# Altium PCB Minion_Rev2.PcbDoc (part 7 of 11)
Units mil, origin at the board's own origin, x right, y up, seen from the top; angles counter-clockwise.
Board outline 4724.41 x 6929.13 mil, 4 copper layers (L1, L2, L3, L4), stack 62.087 mil thick; 873 components, 147 nets, 5651 pads, 5666 vias.
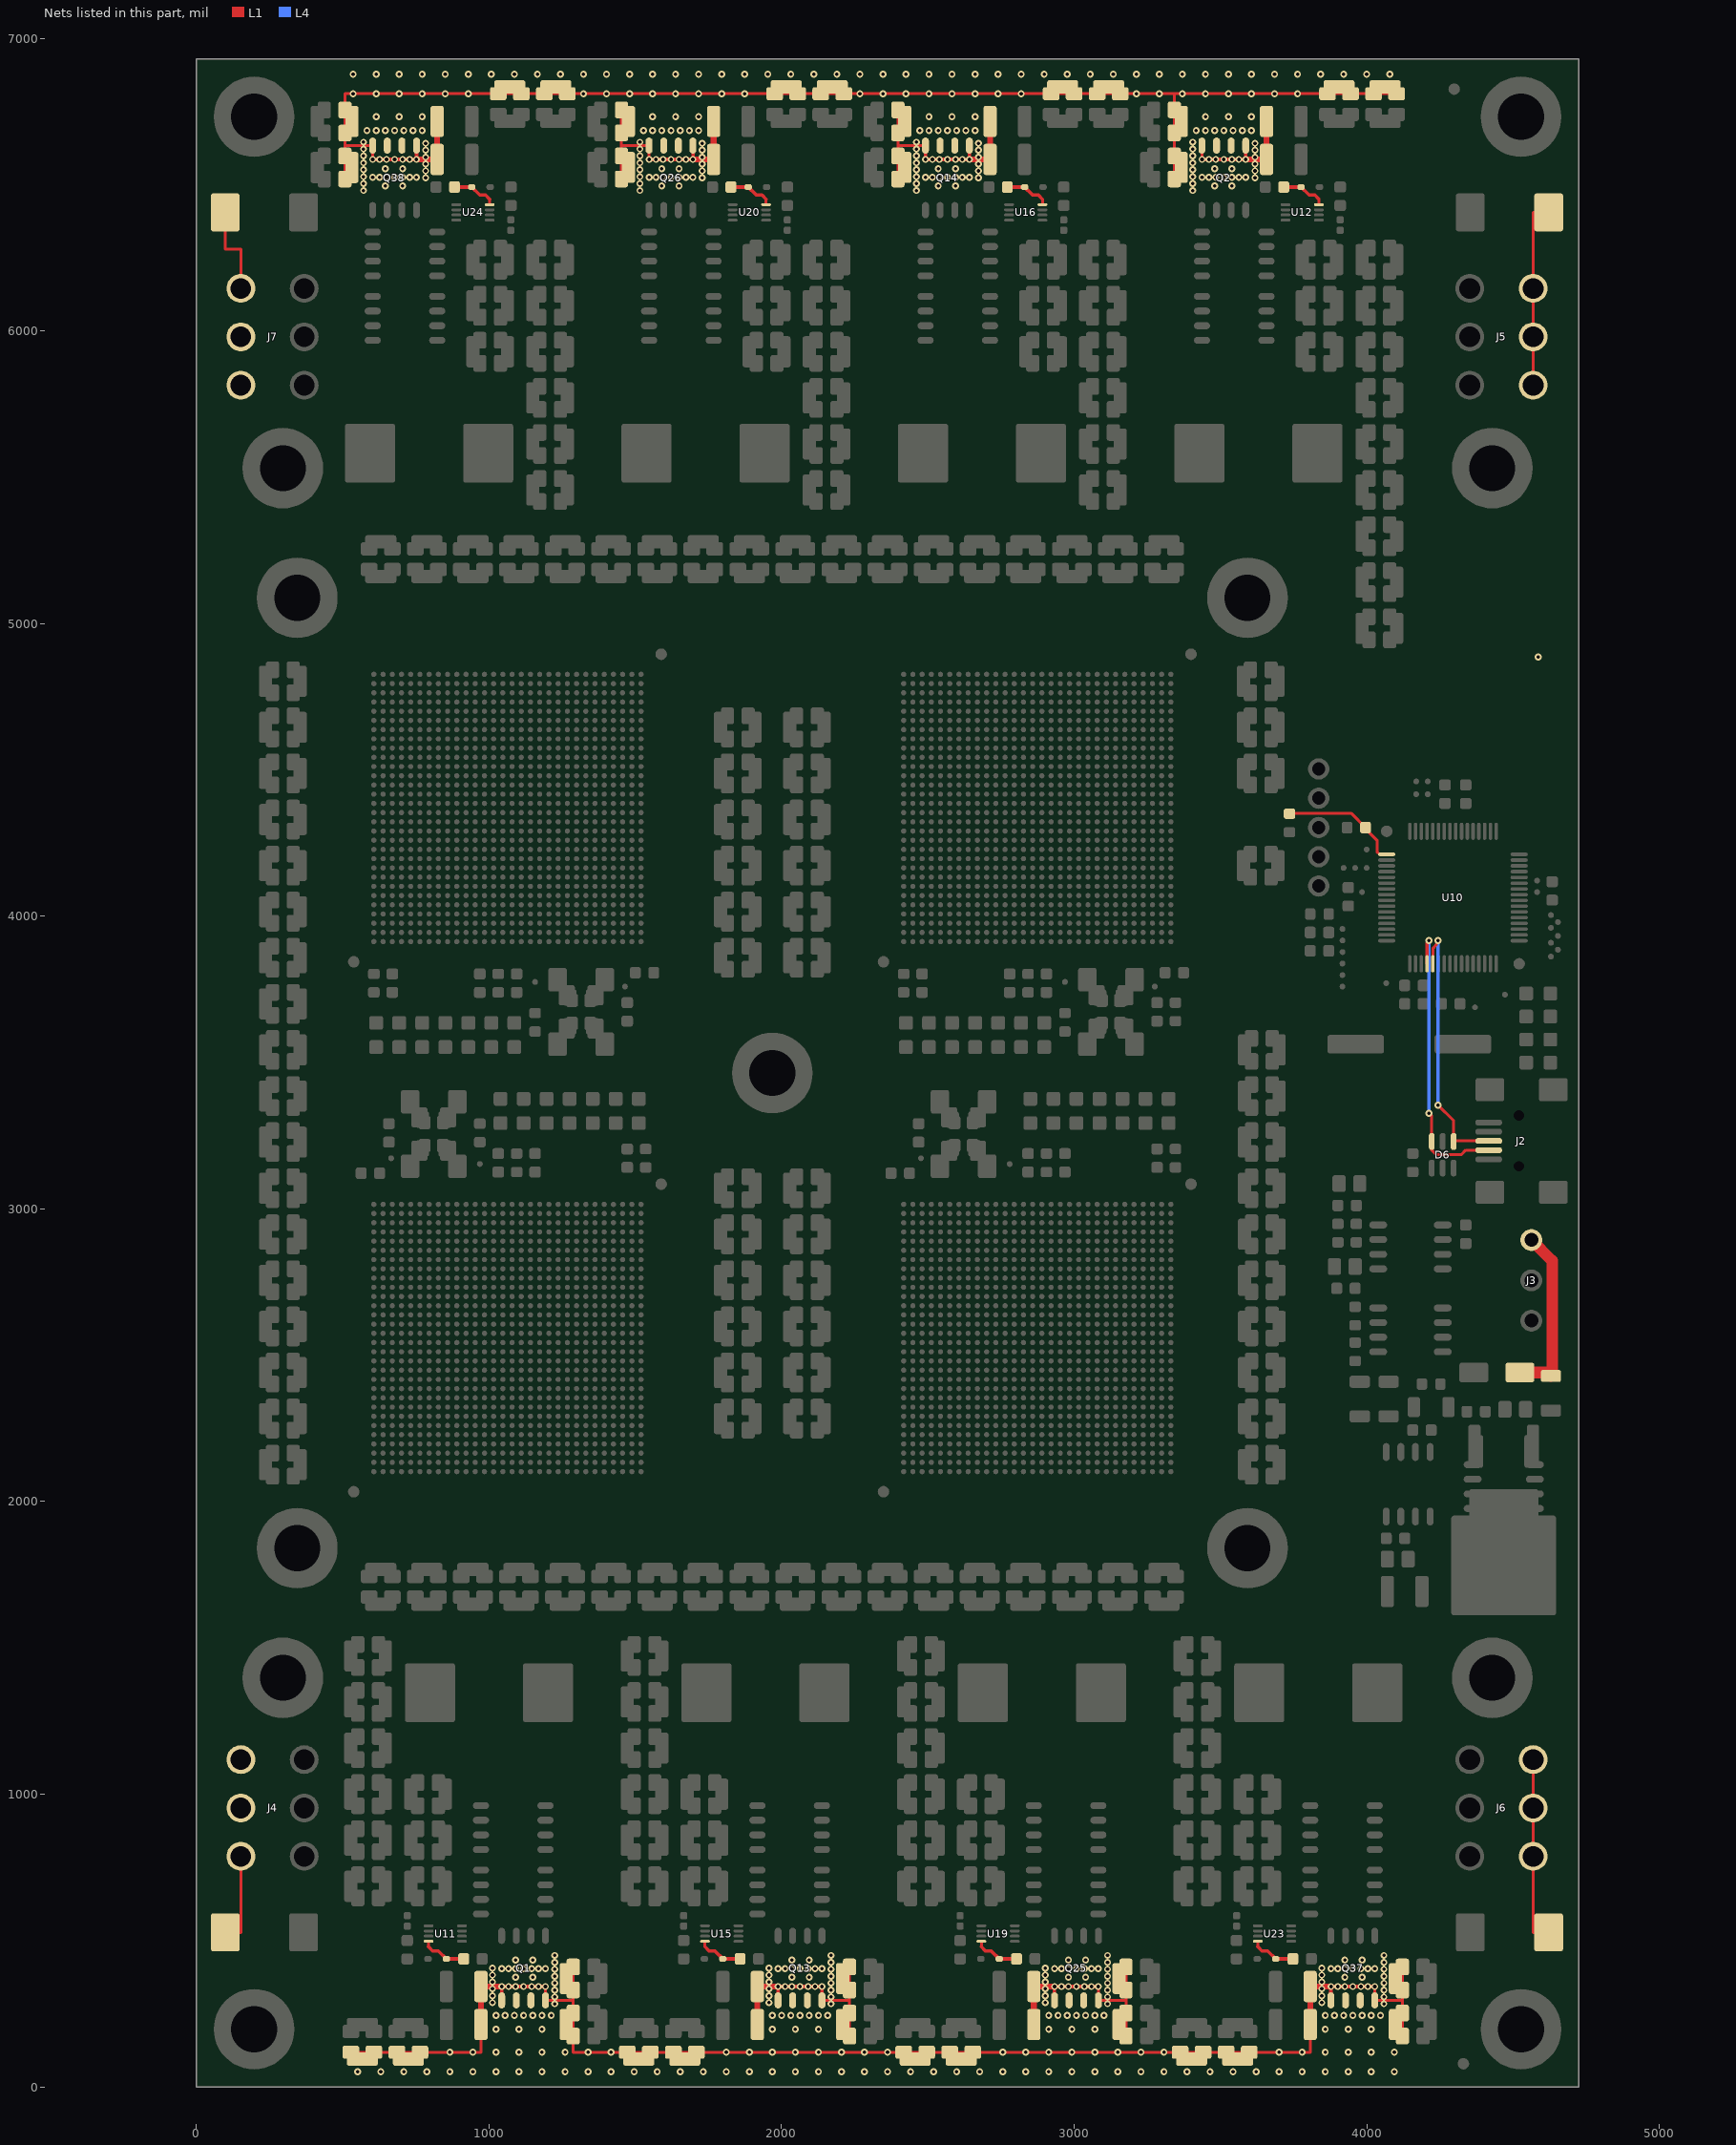
[diagram p9: the nets of this part, all layers, seen from the top]

## Via types
v1: diameter 17.72/17.72/17.72/17.72 (per signal layer), hole 7.87, L1 to L4, 3578 vias
v2: diameter 23.62/23.62/23.62/23.62 (per signal layer), hole 11.81, L1 to L4, 2088 vias

## Nets (pads, with @x,y where several pads share a name; then routed paths per layer and width w, separated by ;. In a path a pad name is that pad's centre, name@x,y a point inside that pad or via, vN(x,y) a via of type N, cw(c..) or ccw(c..) an arc to the next point about the centre after c; other vN are vias at no path point) (continued)
12V: C32.2 C33.2 C37.2 C38.2 C64.2 C65.2 C69.2 C70.2 C96.2 C97.2 C101.2 C102.2 C128.2 C129.2 C133.2 C134.2 C348.2 C349.2 C377.1 C378.1 C379.1 C380.1 C381.1 C382.1 C383.1 C384.1 C385.1 C386.1 C387.1 C388.1 C389.1 C390.1 C391.1 C392.1 C402.2 C403.2 C404.2 C405.2 C406.2 C407.2 C420.2 C421.2 C422.2 C423.2 C424.2 C425.2 C426.2 C427.2 C428.1 C429.1 C430.1 C431.1 C432.1 C433.1 C434.1 C435.1 C436.1 C437.1 C438.1 C439.1 C440.1 C441.1 C442.1 C443.1 C593.2 C596.2 C598.1 C599.2 C600.1 C602.2 C603.1 C605.2 C606.1 C640.1 C642.1 C643.1 C645.1 C646.1 C686.2 C688.1 C689.2 C692.2 C695.2 C711.1 C712.1 C714.1 C715.1 C717.1 C776.2 C779.2 C782.2 C785.2 C807.1 C808.1 C810.1 C811.1 C813.1 C814.1 C866.2 C868.1 C869.2 C872.2 C876.1 C877.1 C879.1 C880.1 C882.1 C913.1 C915.1 C916.1 C918.1 C919.1 D8.2 D26.1 D28.1 D30.1 D32.1 J3.3 J4.1 J4.2 J4.3 J5.1 J5.2 J5.3 J6.1 J6.2 J6.3 J7.1 J7.2 J7.3 Q1.5 Q1.6 Q1.7 Q1.8 Q2.5 Q2.6 Q2.7 Q2.8 Q13.5 Q13.6 Q13.7 Q13.8 Q14.5 Q14.6 Q14.7 Q14.8 Q25.5 Q25.6 Q25.7 Q25.8 Q26.5 Q26.6 Q26.7 Q26.8 Q37.5 Q37.6 Q37.7 Q37.8 Q38.5 Q38.6 Q38.7 Q38.8 R13.2 | length 16298.3
  L1 w9.84: D26.1@98.43,527.56 151.57,527.56 J4.1@151.57,787.4 ; D32.1@98.43,6405.51 98.43,6279.53 151.57,6279.53 J7.3@151.57,6145.67 ; C443.1@507.55,6519.35 507.55,6558.72 ; C600.1@527.56,118.11 566.93,118.11 ; C406.2@531.18,6558.72 507.55,6558.72 ; C134.2@531.18,6716.2 507.55,6716.2 ; C689.2@566.93,94.49 566.93,118.11 ; v2@602.17,6586.61 Q38.8@602.17,6633.86 507.55,6633.86 ; C593.2@724.41,94.49 724.41,118.11 ; C421.2@972.44,212.6 972.44,118.11 v2(944.88,118.11) v2(866.14,118.11) C877.1@763.78,118.11 724.41,118.11 ; C866.2@1070.87,6834.65 1070.87,6811.02 ; v2@1193.11,342.52 Q1.8@1193.11,295.28 1287.4,295.28 ; C779.2@1228.35,6834.65 1228.35,6811.02 ; C420.2@1263.78,212.6 1287.4,212.6 ; C33.2@1263.78,370.08 1287.4,370.08 ; C378.1@1287.4,409.45 1287.4,370.08 ; C437.1@1452.76,6519.69 1452.76,6559.06 ; C438.1@1452.76,6755.91 1452.76,6716.54 ; C102.2@1476.38,6559.06 1452.76,6559.06 ; C404.2@1476.38,6716.54 1452.76,6716.54 ; C872.2@1511.81,94.49 1511.81,118.11 ; v2@1547.05,6586.61 Q26.8@1547.05,6633.86 1452.76,6633.86 ; C605.2@1669.29,94.49 1669.29,118.11 ; C776.2@2015.75,6834.65 2015.75,6811.02 ; v2@2137.99,342.52 Q13.8@2137.99,295.28 2232.28,295.28 ; C686.2@2173.23,6834.65 2173.23,6811.02 ; C422.2@2208.66,212.6 2232.28,212.6 ; C65.2@2208.66,370.08 2232.28,370.08 ; C383.1@2232.28,173.23 2232.28,212.6 ; C382.1@2232.28,409.45 2232.28,370.08 ; C433.1@2397.64,6519.69 2397.64,6559.06 ; C434.1@2397.64,6755.91 2397.64,6716.54 ; C70.2@2421.26,6559.06 2397.64,6559.06 ; C402.2@2421.26,6716.54 2397.64,6716.54 ; C692.2@2456.69,94.49 2456.69,118.11 ; v2@2491.93,6586.61 Q14.8@2491.93,6633.86 2397.64,6633.86 ; C695.2@2614.17,94.49 2614.17,118.11 ; C599.2@2960.63,6834.65 2960.63,6811.02 ; v2@3082.87,342.52 Q25.8@3082.87,295.28 3177.17,295.28 ; C869.2@3118.11,6834.65 3118.11,6811.02 ; C424.2@3153.54,212.6 3177.17,212.6 ; C97.2@3153.54,370.08 3177.17,370.08 ; C387.1@3177.17,173.23 3177.17,212.6 ; C386.1@3177.17,409.45 3177.17,370.08 ; C429.1@3342.52,6519.69 3342.52,6559.06 ; C38.2@3366.14,6559.06 3342.52,6559.06 ; C348.2@3366.14,6716.54 3342.52,6716.54 ; C782.2@3401.57,94.49 3401.57,118.11 ; v2@3436.81,6586.61 Q2.8@3436.81,6633.86 ; C785.2@3559.06,94.49 3559.06,118.11 ; C427.2@3807.09,212.6 3807.09,118.11 v2(3779.53,118.11) v2(3700.79,118.11) C688.1@3598.43,118.11 3559.06,118.11 ; C596.2@3905.51,6834.65 3905.51,6811.02 ; v2@4027.76,342.52 Q37.8@4027.76,295.28 4122.05,295.28 ; C602.2@4062.99,6834.65 4062.99,6811.02 ; C426.2@4098.43,212.6 4122.05,212.6 ; C129.2@4098.43,370.08 4122.05,370.08 ; C598.1@4102.36,6811.02 4062.99,6811.02 ; C391.1@4122.05,173.23 4122.05,212.6 ; C390.1@4122.05,409.45 4122.05,370.08 ; J6.1@4568.9,1118.11 J6.2@4568.9,952.76 J6.3@4568.9,787.4 4568.9,527.56 D30.1@4622.05,527.56 ; J5.3@4568.9,5814.96 J5.2@4568.9,5980.32 J5.1@4568.9,6145.67 4568.9,6405.51 D28.1@4622.05,6405.51 ; 507.55,6558.72 507.55,6633.86 ; 507.55,6633.86 507.55,6716.2 ; 507.55,6716.2 507.55,6811.02 v2(535.43,6811.02) v2(614.17,6811.02) v2(692.91,6811.02) v2(771.65,6811.02) v2(850.39,6811.02) v2(929.13,6811.02) 1070.87,6811.02 ; 566.93,118.11 C808.1@606.3,118.11 C813.1@685.04,118.11 724.41,118.11 ; 1070.87,6811.02 1228.35,6811.02 ; 1228.35,6811.02 v2(1322.83,6811.02) v2(1401.57,6811.02) v2(1480.31,6811.02) v2(1559.06,6811.02) v2(1637.8,6811.02) v2(1716.54,6811.02) v2(1795.28,6811.02) v2(1874.02,6811.02) 2015.75,6811.02 ; 1287.4,212.6 1287.4,295.28 ; 1287.4,212.6 1287.4,118.11 v2(1338.58,118.11) v2(1417.32,118.11) C868.1@1472.44,118.11 1511.81,118.11 ; 1287.4,295.28 1287.4,370.08 ; 1452.76,6559.06 C436.1@1452.76,6598.43 1452.76,6633.86 ; 1452.76,6633.86 C439.1@1452.76,6677.17 1452.76,6716.54 ; 1511.81,118.11 C913.1@1551.18,118.11 C603.1@1629.92,118.11 1669.29,118.11 ; 1669.29,118.11 C810.1@1708.66,118.11 v2(1811.02,118.11) v2(1889.76,118.11) v2(1968.5,118.11) v2(2047.24,118.11) v2(2125.98,118.11) v2(2204.72,118.11) v2(2283.46,118.11) v2(2362.2,118.11) C807.1@2417.32,118.11 2456.69,118.11 ; 2015.75,6811.02 C712.1@2133.86,6811.02 2173.23,6811.02 ; 2173.23,6811.02 v2(2267.72,6811.02) v2(2346.46,6811.02) v2(2425.2,6811.02) v2(2503.94,6811.02) v2(2582.68,6811.02) v2(2661.42,6811.02) v2(2740.16,6811.02) v2(2818.9,6811.02) 2960.63,6811.02 ; 2232.28,212.6 C384.1@2232.28,251.97 2232.28,295.28 ; 2232.28,295.28 C381.1@2232.28,330.71 2232.28,370.08 ; 2397.64,6559.06 C432.1@2397.64,6598.43 2397.64,6633.86 ; 2397.64,6633.86 C435.1@2397.64,6677.17 2397.64,6716.54 ; 2456.69,118.11 C717.1@2496.06,118.11 C876.1@2574.8,118.11 2614.17,118.11 ; 2614.17,118.11 C915.1@2653.54,118.11 v2(2755.91,118.11) v2(2834.65,118.11) v2(2913.39,118.11) v2(2992.13,118.11) v2(3070.87,118.11) v2(3149.61,118.11) v2(3228.35,118.11) v2(3307.09,118.11) C645.1@3362.2,118.11 3401.57,118.11 ; 2960.63,6811.02 3118.11,6811.02 ; 3118.11,6811.02 v2(3212.6,6811.02) v2(3291.34,6811.02) 3342.52,6811.02 ; 3177.17,212.6 C388.1@3177.17,251.97 3177.17,295.28 ; 3177.17,295.28 C385.1@3177.17,330.71 3177.17,370.08 ; 3342.52,6559.06 C428.1@3342.52,6598.43 C431.1@3342.52,6677.17 3342.52,6716.54 ; 3342.52,6716.54 C430.1@3342.52,6755.91 3342.52,6811.02 ; 3342.52,6811.02 v2(3370.08,6811.02) v2(3448.82,6811.02) v2(3527.56,6811.02) v2(3606.3,6811.02) v2(3685.04,6811.02) v2(3763.78,6811.02) 3905.51,6811.02 ; 3401.57,118.11 C715.1@3440.94,118.11 C646.1@3519.68,118.11 3559.06,118.11 ; 3905.51,6811.02 4062.99,6811.02 ; 4122.05,212.6 C392.1@4122.05,251.97 4122.05,295.28 ; 4122.05,295.28 C389.1@4122.05,330.71 4122.05,370.08
  L1 w11.81: v2@602.17,6586.61 v2(602.36,6586.61) v2(625.98,6586.61) v2(649.61,6586.61) v2(677.17,6586.61) v2(704.72,6586.61) v2(728.35,6586.61) v2(751.97,6586.61) 752.15,6586.61 Q38.5@752.15,6633.86 ; Q1.5@1043.13,295.28 1043.13,342.52 v2(1043.31,342.52) v2(1066.93,342.52) v2(1090.55,342.52) v2(1118.11,342.52) v2(1145.67,342.52) v2(1169.29,342.52) v2(1192.91,342.52) v2@1193.11,342.52 ; v2@1547.05,6586.61 v2(1547.24,6586.61) v2(1570.87,6586.61) v2(1594.49,6586.61) v2(1622.05,6586.61) v2(1649.61,6586.61) v2(1673.23,6586.61) v2(1696.85,6586.61) 1697.03,6586.61 Q26.5@1697.03,6633.86 ; Q13.5@1988.01,295.28 1988.01,342.52 v2(1988.19,342.52) v2(2011.81,342.52) v2(2035.43,342.52) v2(2062.99,342.52) v2(2090.55,342.52) v2(2114.17,342.52) v2(2137.8,342.52) v2@2137.99,342.52 ; v2@2491.93,6586.61 v2(2492.13,6586.61) v2(2515.75,6586.61) v2(2539.37,6586.61) v2(2566.93,6586.61) v2(2594.49,6586.61) v2(2618.11,6586.61) v2(2641.73,6586.61) 2641.91,6586.61 Q14.5@2641.91,6633.86 ; Q25.5@2932.89,295.28 2932.89,342.52 v2(2933.07,342.52) v2(2956.69,342.52) v2(2980.31,342.52) v2(3007.87,342.52) v2(3035.43,342.52) v2(3059.06,342.52) v2(3082.68,342.52) v2@3082.87,342.52 ; v2@3436.81,6586.61 v2(3437.01,6586.61) v2(3460.63,6586.61) v2(3484.25,6586.61) v2(3511.81,6586.61) v2(3539.37,6586.61) v2(3562.99,6586.61) v2(3586.61,6586.61) 3586.79,6586.61 Q2.5@3586.79,6633.86 ; Q37.5@3877.77,295.28 3877.77,342.52 v2(3877.95,342.52) v2(3901.57,342.52) v2(3925.2,342.52) v2(3952.76,342.52) v2(3980.31,342.52) v2(4003.94,342.52) v2(4027.56,342.52) v2@4027.76,342.52
  L1 w19.68: v2@752.15,6586.61 C133.2@822.83,6586.61 C407.2@822.83,6716.54 ; C421.2@972.44,212.6 C32.2@972.44,342.52 v2@1043.13,342.52 ; v2@1697.03,6586.61 C101.2@1767.72,6586.61 C405.2@1767.72,6716.54 ; C423.2@1917.32,212.6 C64.2@1917.32,342.52 v2@1988.01,342.52 ; v2@2641.91,6586.61 C69.2@2712.6,6586.61 C403.2@2712.6,6716.54 ; C425.2@2862.2,212.6 C96.2@2862.2,342.52 v2@2932.89,342.52 ; v2@3586.79,6586.61 C37.2@3657.48,6586.61 C349.2@3657.48,6716.54 ; C427.2@3807.09,212.6 C128.2@3807.09,342.52 v2@3877.77,342.52
  L1 w39.37: D8.2@4523.62,2440.94 R13.2@4629.92,2440.94 ; J3.3@4562.99,2893.7 4633.86,2822.95 4633.86,2440.94 R13.2@4629.92,2440.94 ; R13.2@4629.92,2429.13 R13.2@4629.92,2440.94
  other v2: 551.18,51.18 629.92,51.18 708.66,51.18 787.4,51.18 866.14,51.18 944.88,51.18 1023.62,51.18 1102.36,51.18 1181.1,51.18 1259.84,51.18 1338.58,51.18 1417.32,51.18 1496.06,51.18 1574.8,51.18 1653.54,51.18 1732.28,51.18 1811.02,51.18 1889.76,51.18 1968.5,51.18 2047.24,51.18 2125.98,51.18 2204.72,51.18 2283.46,51.18 2362.2,51.18 2440.94,51.18 2519.68,51.18 2598.43,51.18 2677.17,51.18 2755.91,51.18 2834.65,51.18 2913.39,51.18 2992.13,51.18 3070.87,51.18 3149.61,51.18 3228.35,51.18 3307.09,51.18 3385.83,51.18 3464.57,51.18 3543.31,51.18 3622.05,51.18 3700.79,51.18 3779.53,51.18 3858.27,51.18 3937.01,51.18 4015.75,51.18 4094.49,51.18 1023.62,118.11 1102.36,118.11 1181.1,118.11 1259.84,118.11 3858.27,118.11 3937.01,118.11 4015.75,118.11 4094.49,118.11 1023.62,196.85 1102.36,196.85 1181.1,196.85 1968.5,196.85 2047.24,196.85 2125.98,196.85 2913.39,196.85 2992.13,196.85 3070.87,196.85 3858.27,196.85 3937.01,196.85 4015.75,196.85 1023.62,244.09 1055.12,244.09 1086.61,244.09 1118.11,244.09 1149.61,244.09 1181.1,244.09 1212.6,244.09 1968.5,244.09 2000,244.09 2031.5,244.09 2062.99,244.09 2094.49,244.09 2125.98,244.09 2157.48,244.09 2913.39,244.09 2944.88,244.09 2976.38,244.09 3007.87,244.09 3039.37,244.09 3070.87,244.09 3102.36,244.09 3858.27,244.09 3889.76,244.09 3921.26,244.09 3952.76,244.09 3984.25,244.09 4015.75,244.09 4047.24,244.09 1224.41,283.46 2169.29,283.46 3114.17,283.46 4059.06,283.46 1011.81,287.4 1956.69,287.4 2901.57,287.4 3846.46,287.4 1224.41,307.09 2169.29,307.09 3114.17,307.09 4059.06,307.09 1011.81,311.02 1956.69,311.02 2901.57,311.02 3846.46,311.02 1224.41,330.71 2169.29,330.71 3114.17,330.71 4059.06,330.71 1011.81,334.65 1956.69,334.65 2901.57,334.65 3846.46,334.65 1224.41,354.33 2169.29,354.33 3114.17,354.33 4059.06,354.33 1011.81,358.27 1956.69,358.27 2901.57,358.27 3846.46,358.27 1090.55,374.02 1149.61,374.02 2035.43,374.02 2094.49,374.02 2980.31,374.02 3039.37,374.02 3925.2,374.02 3984.25,374.02 1224.41,377.95 2169.29,377.95 3114.17,377.95 4059.06,377.95 1011.81,381.89 1956.69,381.89 2901.57,381.89 3846.46,381.89 1224.41,401.57 2169.29,401.57 3114.17,401.57 4059.06,401.57 1043.31,403.54 1066.93,403.54 1090.55,403.54 1118.11,403.54 1145.67,403.54 1169.29,403.54 1192.91,403.54 1988.19,403.54 2011.81,403.54 2035.43,403.54 2062.99,403.54 2090.55,403.54 2114.17,403.54 2137.8,403.54 2933.07,403.54 2956.69,403.54 2980.31,403.54 3007.87,403.54 3035.43,403.54 3059.06,403.54 3082.68,403.54 3877.95,403.54 3901.57,403.54 3925.2,403.54 3952.76,403.54 3980.31,403.54 4003.94,403.54 4027.56,403.54 1011.81,405.51 1956.69,405.51 2901.57,405.51 3846.46,405.51 1224.41,425.2 2169.29,425.2 3114.17,425.2 4059.06,425.2 1090.55,433.07 1149.61,433.07 2035.43,433.07 2094.49,433.07 2980.31,433.07 3039.37,433.07 3925.2,433.07 3984.25,433.07 1224.41,448.82 2169.29,448.82 3114.17,448.82 4059.06,448.82 4586.61,4885.83 570.87,6480.32 1515.75,6480.32 2460.63,6480.32 3405.51,6480.32 645.67,6496.06 704.72,6496.06 1590.55,6496.06 1649.61,6496.06 2535.43,6496.06 2594.49,6496.06 3480.31,6496.06 3539.37,6496.06 570.87,6503.94 1515.75,6503.94 2460.63,6503.94 3405.51,6503.94 783.46,6523.62 1728.35,6523.62 2673.23,6523.62 3618.11,6523.62 602.36,6525.59 625.98,6525.59 649.61,6525.59 677.17,6525.59 704.72,6525.59 728.35,6525.59 751.97,6525.59 1547.24,6525.59 1570.87,6525.59 1594.49,6525.59 1622.05,6525.59 1649.61,6525.59 1673.23,6525.59 1696.85,6525.59 2492.13,6525.59 2515.75,6525.59 2539.37,6525.59 2566.93,6525.59 2594.49,6525.59 2618.11,6525.59 2641.73,6525.59 3437.01,6525.59 3460.63,6525.59 3484.25,6525.59 3511.81,6525.59 3539.37,6525.59 3562.99,6525.59 3586.61,6525.59 570.87,6527.56 1515.75,6527.56 2460.63,6527.56 3405.51,6527.56 783.46,6547.24 1728.35,6547.24 2673.23,6547.24 3618.11,6547.24 570.87,6551.18 1515.75,6551.18 2460.63,6551.18 3405.51,6551.18 645.67,6555.12 704.72,6555.12 1590.55,6555.12 1649.61,6555.12 2535.43,6555.12 2594.49,6555.12 3480.31,6555.12 3539.37,6555.12 783.46,6570.87 1728.35,6570.87 2673.23,6570.87 3618.11,6570.87 570.87,6574.8 1515.75,6574.8 2460.63,6574.8 3405.51,6574.8 783.46,6594.49 1728.35,6594.49 2673.23,6594.49 3618.11,6594.49 570.87,6598.43 1515.75,6598.43 2460.63,6598.43 3405.51,6598.43 783.46,6618.11 1728.35,6618.11 2673.23,6618.11 3618.11,6618.11 570.87,6622.05 1515.75,6622.05 2460.63,6622.05 3405.51,6622.05 783.46,6641.73 1728.35,6641.73 2673.23,6641.73 3618.11,6641.73 570.87,6645.67 1515.75,6645.67 2460.63,6645.67 3405.51,6645.67 582.68,6685.04 614.17,6685.04 645.67,6685.04 677.17,6685.04 708.66,6685.04 740.16,6685.04 771.65,6685.04 1527.56,6685.04 1559.06,6685.04 1590.55,6685.04 1622.05,6685.04 1653.54,6685.04 1685.04,6685.04 1716.54,6685.04 2472.44,6685.04 2503.94,6685.04 2535.43,6685.04 2566.93,6685.04 2598.43,6685.04 2629.92,6685.04 2661.42,6685.04 3417.32,6685.04 3448.82,6685.04 3480.31,6685.04 3511.81,6685.04 3543.31,6685.04 3574.8,6685.04 3606.3,6685.04 614.17,6732.28 692.91,6732.28 771.65,6732.28 1559.06,6732.28 1637.8,6732.28 1716.54,6732.28 2503.94,6732.28 2582.68,6732.28 2661.42,6732.28 3448.82,6732.28 3527.56,6732.28 3606.3,6732.28 535.43,6877.95 614.17,6877.95 692.91,6877.95 771.65,6877.95 850.39,6877.95 929.13,6877.95 1007.87,6877.95 1086.61,6877.95 1165.35,6877.95 1244.09,6877.95 1322.83,6877.95 1401.57,6877.95 1480.31,6877.95 1559.06,6877.95 1637.8,6877.95 1716.54,6877.95 1795.28,6877.95 1874.02,6877.95 1952.76,6877.95 2031.5,6877.95 2110.24,6877.95 2188.98,6877.95 2267.72,6877.95 2346.46,6877.95 2425.2,6877.95 2503.94,6877.95 2582.68,6877.95 2661.42,6877.95 2740.16,6877.95 2818.9,6877.95 2897.64,6877.95 2976.38,6877.95 3055.12,6877.95 3133.86,6877.95 3212.6,6877.95 3291.34,6877.95 3370.08,6877.95 3448.82,6877.95 3527.56,6877.95 3606.3,6877.95 3685.04,6877.95 3763.78,6877.95 3842.52,6877.95 3921.26,6877.95 4000,6877.95 4078.74,6877.95
BOOT1: C28.1 D10.1 U11.8 | length 155.9
  L1 w9.84: 793.31,478.35 U11.8@793.31,497.05
  L1 w11.81: 793.31,478.35 807.09,464.57 826.77,464.57 D10.1@854.33,437.01 C28.1@913.39,437.01
BOOT2: C60.1 D14.1 U15.8 | length 155.9
  L1 w9.84: 1738.19,478.35 U15.8@1738.19,497.05
  L1 w11.81: 1738.19,478.35 1751.97,464.57 1771.65,464.57 D14.1@1799.21,437.01 C60.1@1858.27,437.01
BOOT3: C92.1 D18.1 U19.8 | length 155.9
  L1 w9.84: 2683.07,478.35 U19.8@2683.07,497.05
  L1 w11.81: 2683.07,478.35 2696.85,464.57 2716.54,464.57 D18.1@2744.09,437.01 C92.1@2803.15,437.01
BOOT4: C124.1 D22.1 U23.8 | length 155.9
  L1 w9.84: 3627.95,478.35 U23.8@3627.95,497.05
  L1 w11.81: 3627.95,478.35 3641.73,464.57 3661.42,464.57 D22.1@3688.98,437.01 C124.1@3748.03,437.01
BOOT5: C29.1 D11.1 U12.8 | length 155.9
  L1 w9.84: U12.8@3836.61,6432.09 3836.61,6450.79
  L1 w11.81: C29.1@3716.54,6492.13 D11.1@3775.59,6492.13 3803.15,6464.57 3822.83,6464.57 3836.61,6450.79
BOOT6: C61.1 D15.1 U16.8 | length 155.9
  L1 w9.84: U16.8@2891.73,6432.09 2891.73,6450.79
  L1 w11.81: C61.1@2771.65,6492.13 D15.1@2830.71,6492.13 2858.27,6464.57 2877.95,6464.57 2891.73,6450.79
BOOT7: C93.1 D19.1 U20.8 | length 155.9
  L1 w9.84: U20.8@1946.85,6432.09 1946.85,6450.79
  L1 w11.81: C93.1@1826.77,6492.13 D19.1@1885.83,6492.13 1913.39,6464.57 1933.07,6464.57 1946.85,6450.79
BOOT8: C125.1 D23.1 U24.8 | length 155.9
  L1 w9.84: U24.8@1001.97,6432.09 1001.97,6450.79
  L1 w11.81: C125.1@881.89,6492.13 D23.1@940.94,6492.13 968.5,6464.57 988.19,6464.57 1001.97,6450.79
D+: D6.1 J2.3 U10.37 | length 915.7
  L1 w9.84: U10.37@4225.95,3837.79 4225.95,3889.76 4244.09,3909.45 v2(4244.09,3917.32) ; v2(4244.09,3354.33) 4297.24,3301.18 D6.1@4297.24,3232.28 ; D6.1@4297.24,3230.32 D6.1@4297.24,3232.28 ; J2.3@4417.32,3232.28 D6.1@4297.24,3232.28
  L4 w11.81: v2(4244.09,3354.33) v2(4244.09,3917.32)
D-: D6.3 J2.2 U10.36 | length 1010.3
  L1 w9.84: U10.36@4206.27,3837.79 4206.27,3909.45 v2(4212.6,3917.32) ; v2(4212.6,3326.77) 4222.44,3316.93 D6.3@4222.44,3230.32 4222.44,3200.79 4238.19,3185.04 4322.83,3185.04 4338.58,3200.79 J2.2@4417.32,3200.79
  L4 w11.81: v2(4212.6,3326.77) v2(4212.6,3917.32)
FB: C3.1 R6.1 U10.17 | length 417.8
  L1 w9.84: R6.1@3736.22,4350.39 3736.22,4352.36 3946.85,4352.36 C3.1@3996.06,4303.15 3996.06,4299.21 4035.43,4259.84 4035.43,4220.47 4044.1,4211.81 U10.17@4068.47,4211.81